# KiCad board pcb.kicad_pcb
title: pcb; rev: v1.0.0; company: Unknown
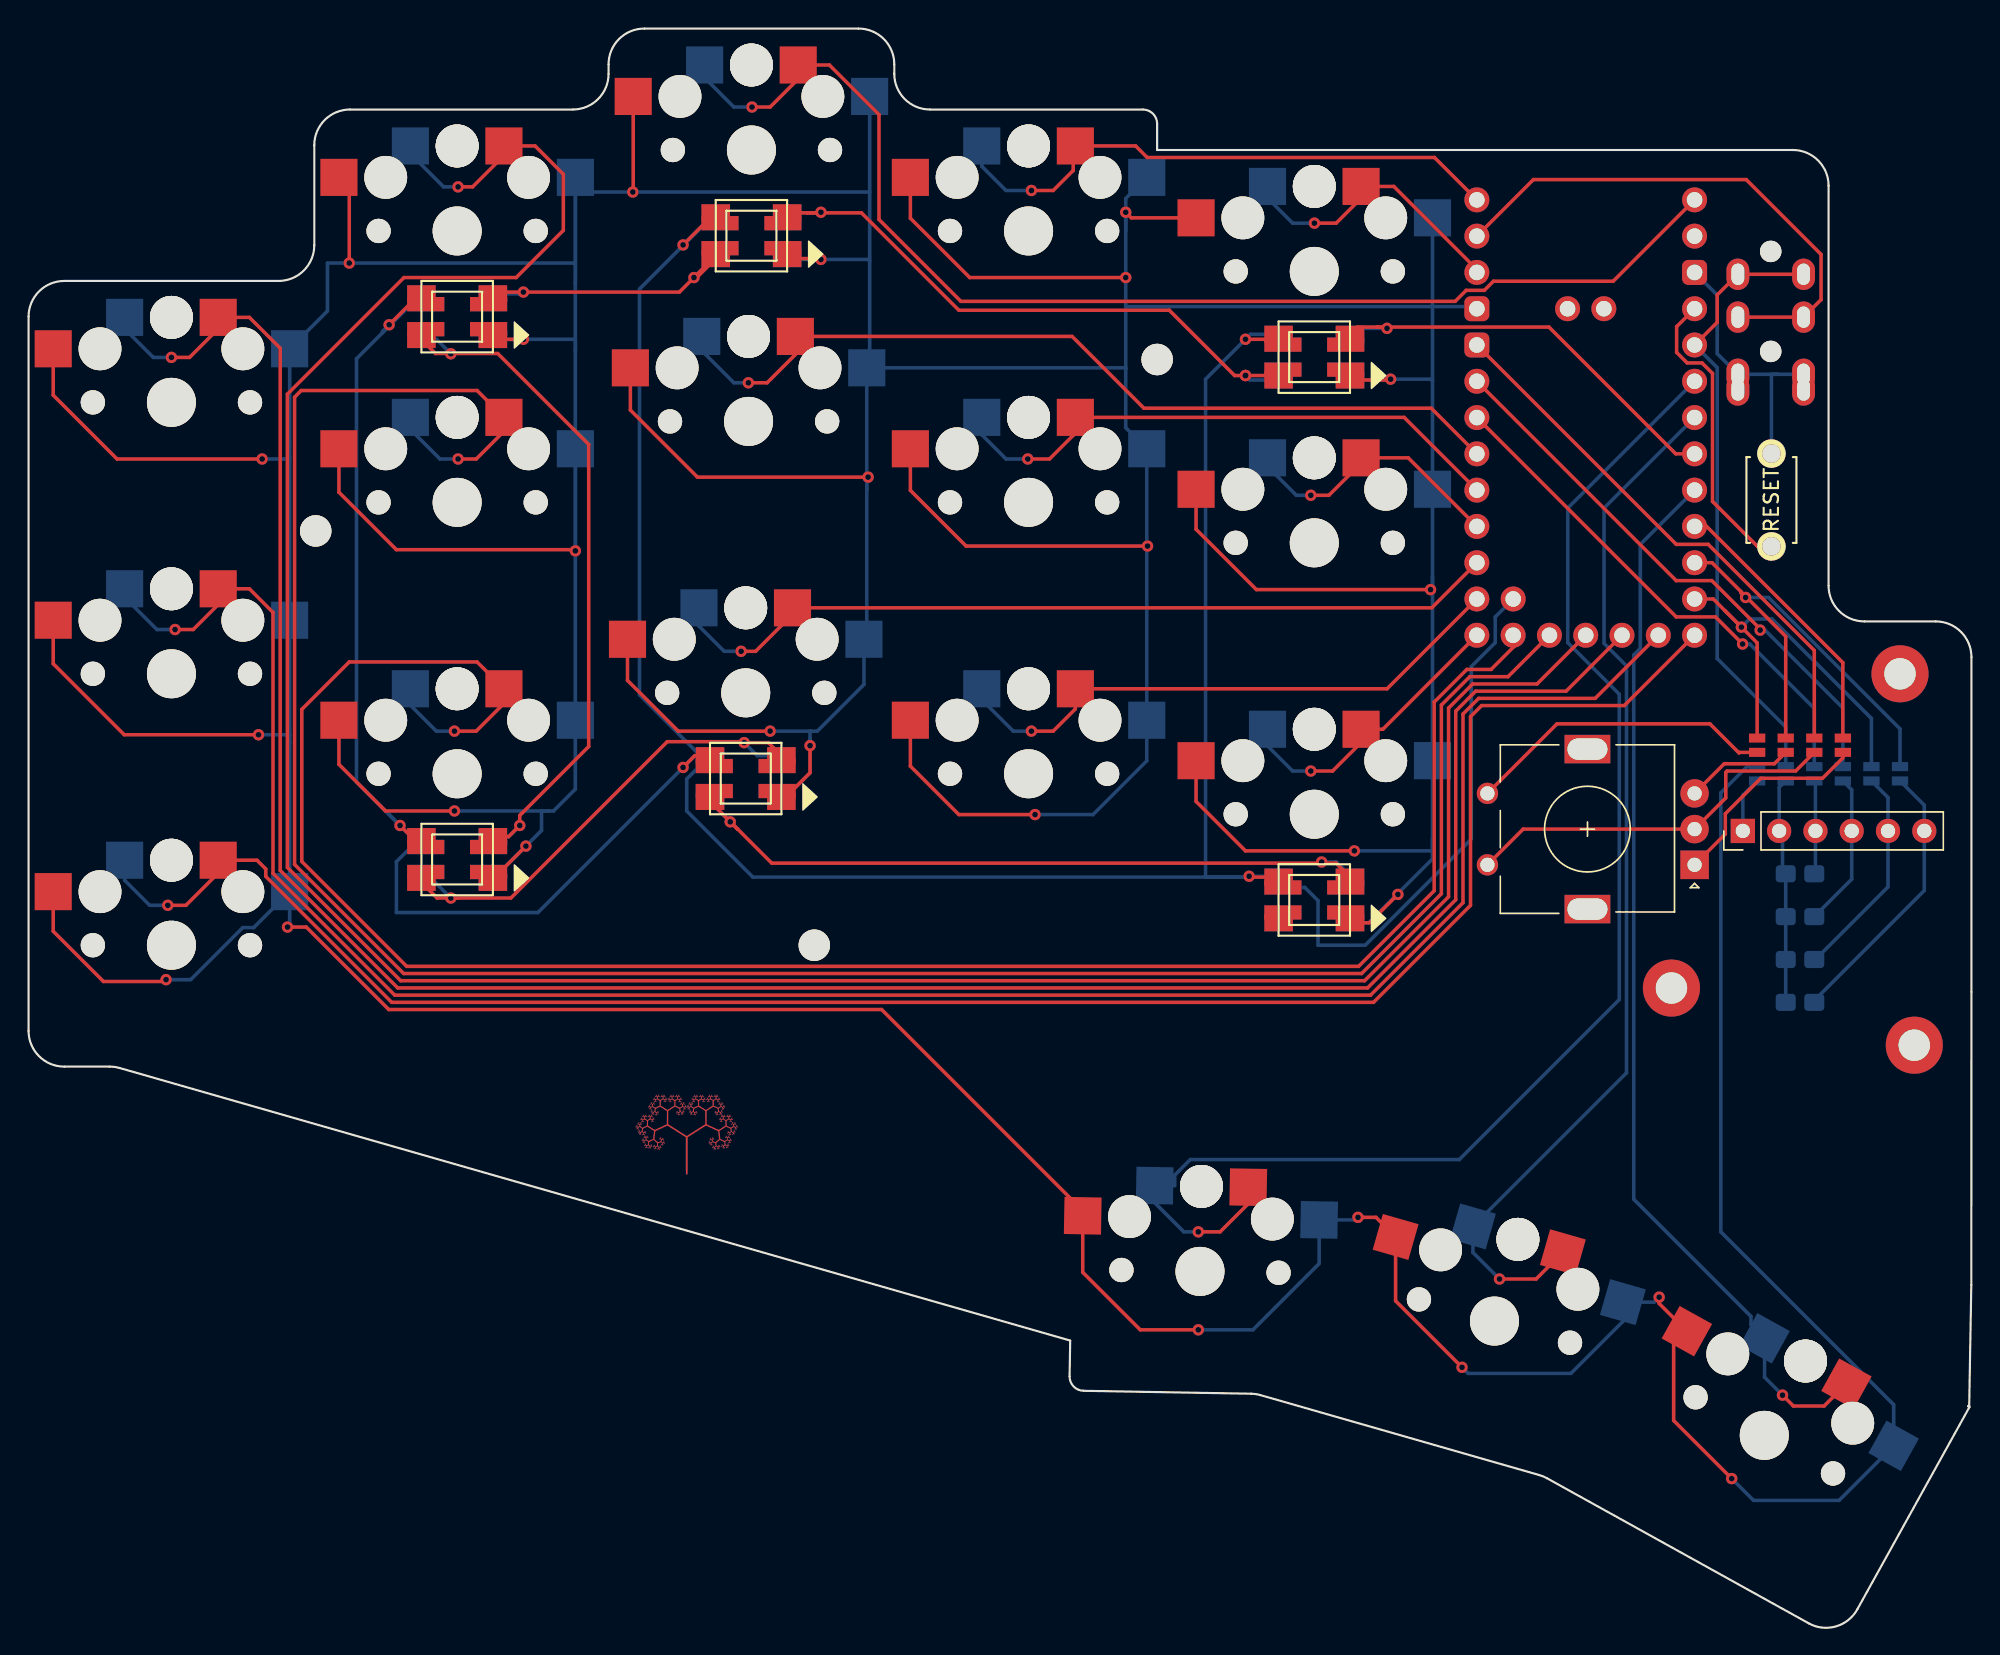
[diagram p0: board, top side]
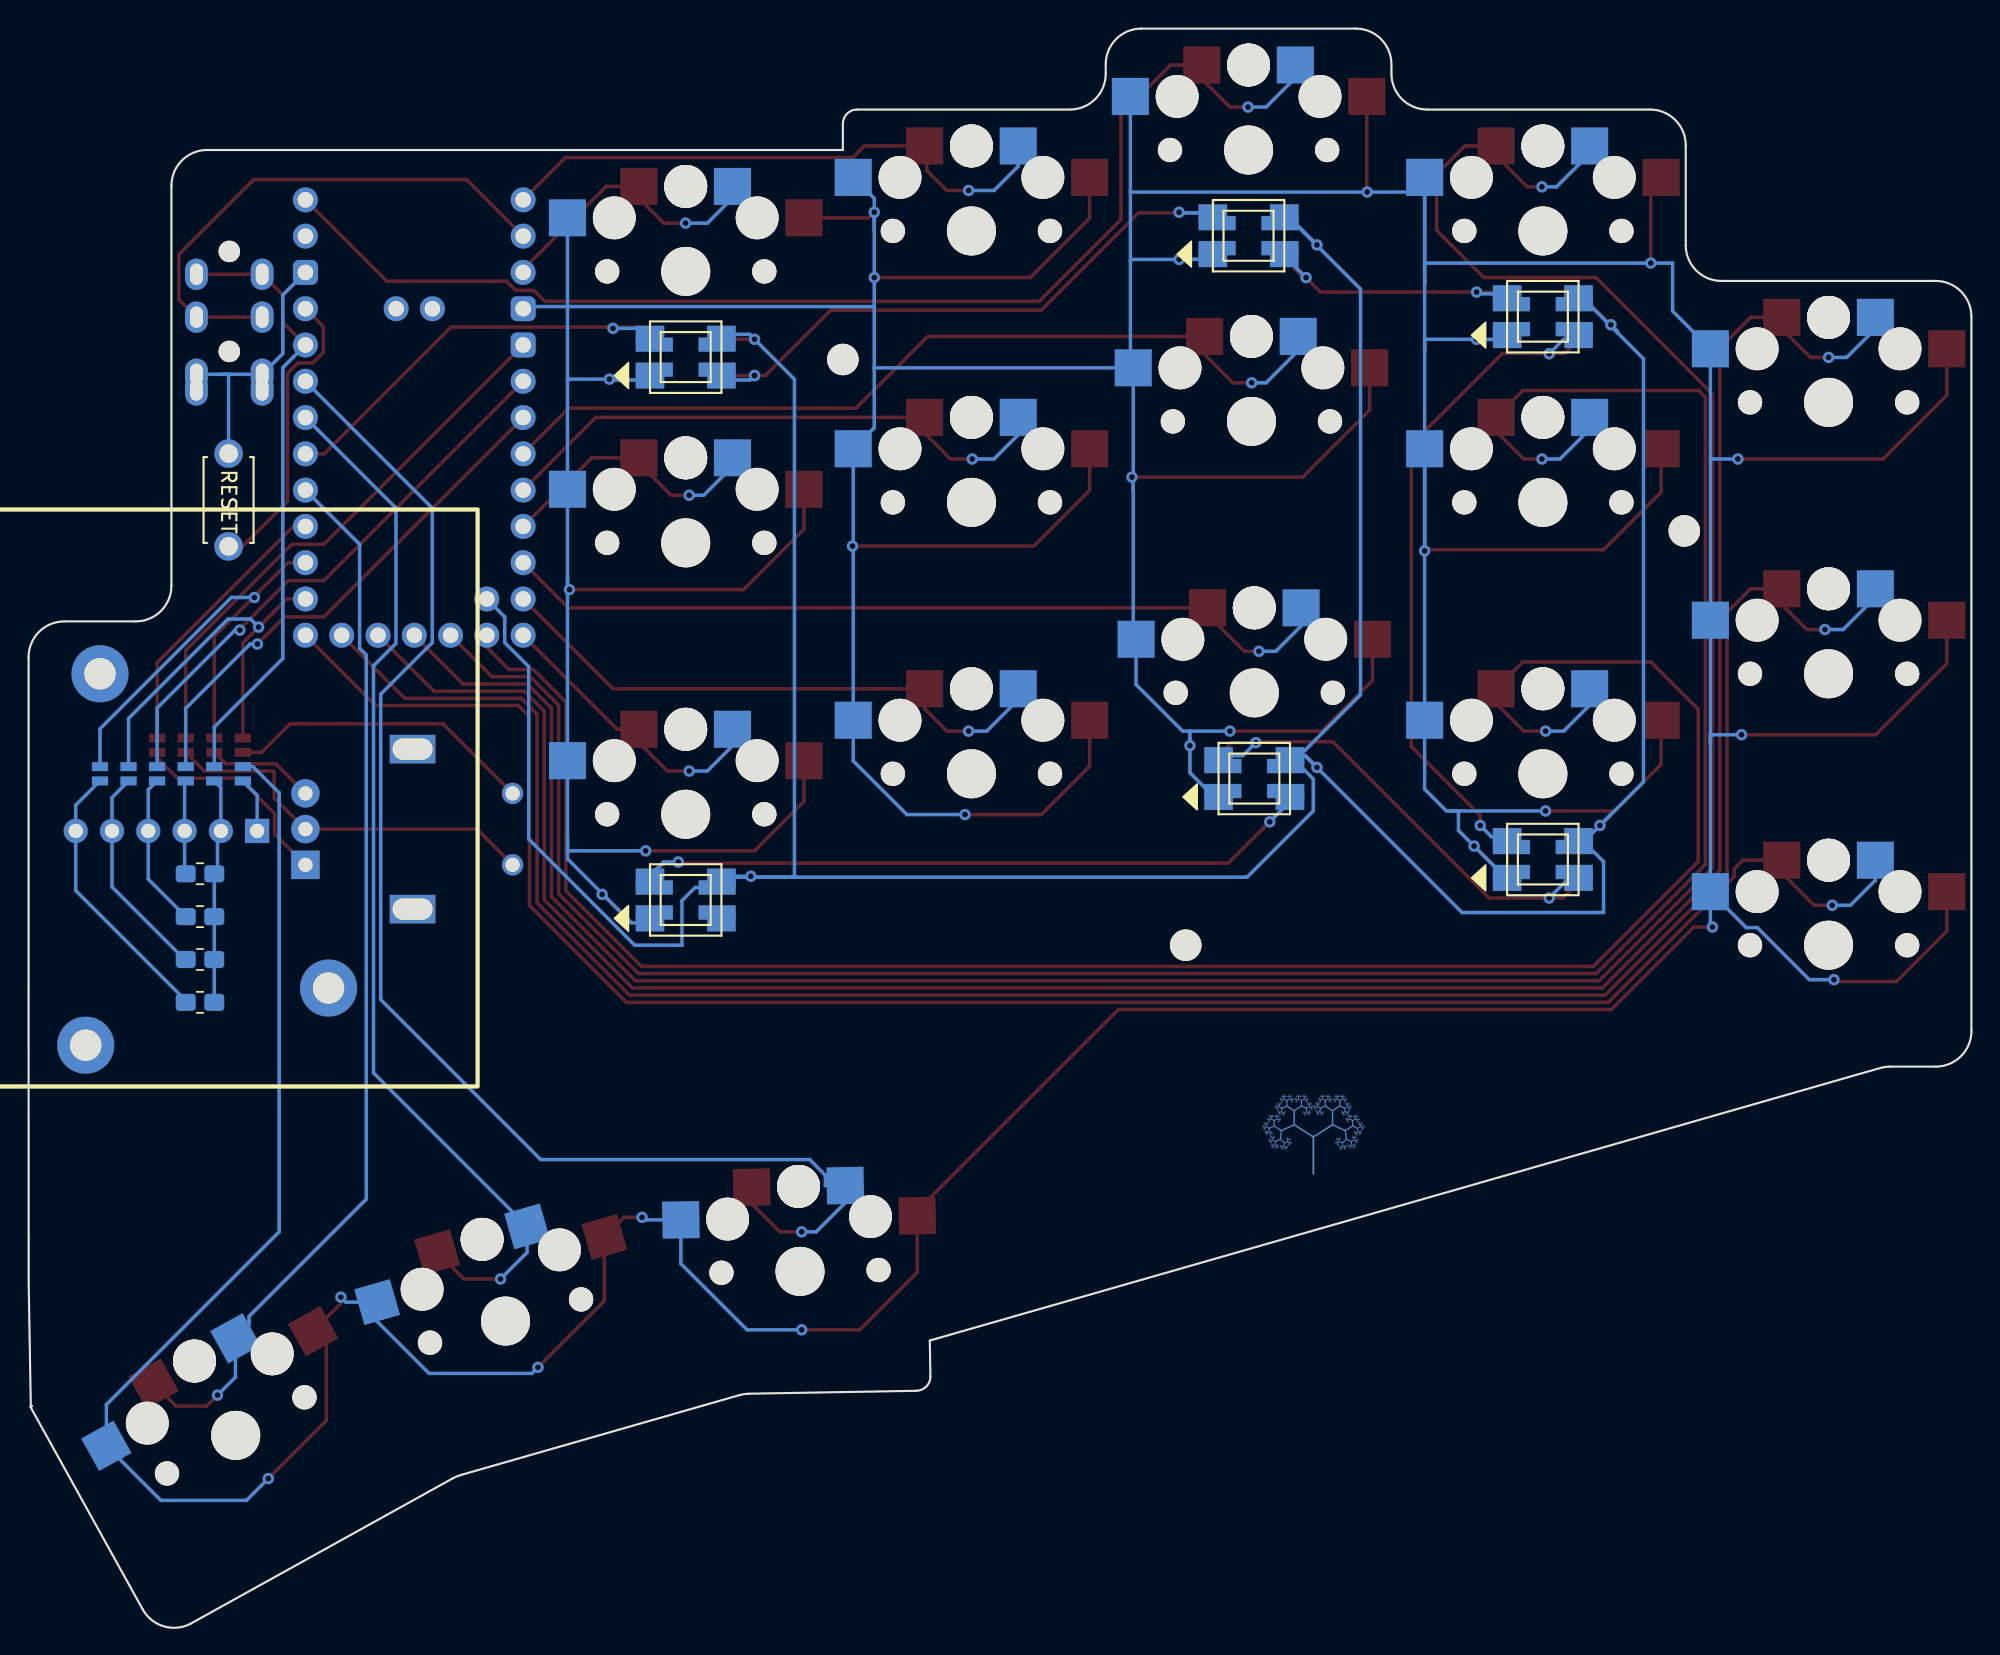
[diagram p1: board, bottom side, seen from below]

Outline 136 x 111.85 mm; copper layers: Top, Bottom. Coordinates in mm from the lower left corner of the outline.
Outline path: 0,91.69 arc(0.73,93.45) 2.5,94.19 17.5,94.19 arc(19.27,94.92) 20,96.69 20,103.69 arc(20.73,105.45) 22.5,106.19 38.1,106.19 arc(39.87,106.92) 40.6,108.69 40.6,109.35 arc(41.33,111.12) 43.1,111.85 58.1,111.85 arc(59.87,111.12) 60.6,109.35 60.6,108.69 arc(61.33,106.92) 63.1,106.19 78,106.19 arc(78.71,105.89) 79,105.19 79,103.35 123.5,103.35 arc(125.27,102.62) 126,100.85 126,72.85 arc(126.73,71.09) 128.5,70.35 133.5,70.35 arc(135.27,69.62) 136,67.85 136,44.41 135.99,23.91 135.84,15.41 135.77,15.41 135.86,15.36 128.01,1.19 arc(126.51,0) 124.61,0.22 106.28,10.37 arc(106.03,10.5) 105.76,10.59 86.23,16.19 arc(85.91,16.26) 85.58,16.29 73.85,16.49 arc(73.15,16.8) 72.87,17.51 72.91,20.01 6.37,39.09 arc(6.03,39.16) 5.69,39.19 2.5,39.19 arc(0.73,39.92) 0,41.69 0,91.69
Stack: Top 0.035mm / dielectric 1.51mm FR4 er 4.5 / Bottom 0.035mm

## Placement (name value [footprint] x y rotation side)
_1  -  [ResetSW]  122 78.85 270 top
_2  -  [MountingHole_2.2mm_M2_Pad_Via]  131 66.69 0 top
_3  -  [MountingHole_2.2mm_M2_Pad_Via]  132 40.69 0 top
_4  -  [MountingHole_2.2mm_M2_Pad_Via]  115 44.69 0 top
_5  -  [MountingHole_2.2mm_M2]  79 88.69 0 top
_6  -  [MountingHole_2.2mm_M2]  20.1 76.69 0 top
_7  -  [MountingHole_2.2mm_M2]  55 47.69 0 top
J1  -  [Jumper#2]  121 61.69 90 top
J2  -  [Jumper#2]  123 61.69 90 top
J3  -  [Jumper#2]  125 61.69 90 top
J4  -  [Jumper#2]  127 61.69 90 top
J5  -  [Jumper]  121 59.69 90 top
J6  -  [Jumper]  123 59.69 90 top
J7  -  [Jumper]  125 59.69 90 top
J8  -  [Jumper]  127 59.69 90 top
J9  -  [Jumper]  129 59.69 90 top
J10  -  [Jumper]  131 59.69 90 top
LED1  -  [WS2812B]  30 91.69 0 top
LED2  -  [WS2812B]  30 53.69 0 top
LED3  -  [WS2812B]  50.6 97.35 0 top
LED4  -  [WS2812B]  50.2 59.35 0 top
LED5  -  [WS2812B]  90 88.85 0 top
LED6  -  [WS2812B]  90 50.85 0 top
LED7  -  [WS2812B#2]  30 91.69 0 top
LED8  -  [WS2812B#2]  30 53.69 0 top
LED9  -  [WS2812B#2]  50.6 97.35 0 top
LED10  -  [WS2812B#2]  50.2 59.35 0 top
LED11  -  [WS2812B#2]  90 88.85 0 top
LED12  -  [WS2812B#2]  90 50.85 0 top
MCU1  Elite-C  [Helios]  109 83.35 0 top
NOREF  -  [pinheaders]  120 55.69 90 top
NOREF#2  -  [Azoteq-TPS45]  148 78.19 0 top
NOREF#3  LOGO  [fractalx]  46.07 34.23 0 top
NOREF#4  LOGO  [fractalxcu]  46.07 34.23 0 top
NOREF#5  LOGO  [fractalxcu]  46.07 34.23 180 bottom
NOREF#6  -  [R_0805_2012Metric_Pad1.20x1.40mm_HandSolder]  124 46.69 0 bottom
NOREF#7  -  [R_0805_2012Metric_Pad1.20x1.40mm_HandSolder]  124 52.69 0 bottom
NOREF#8  -  [R_0805_2012Metric_Pad1.20x1.40mm_HandSolder]  124 43.69 0 bottom
NOREF#9  -  [R_0805_2012Metric_Pad1.20x1.40mm_HandSolder]  124 49.69 0 bottom
NOREF#10  LOGO  [fractalx]  46.07 34.23 180 bottom
ROT1  -  [rotary_encoder]  109 55.85 180 top
S1  -  [PG1350]  10 47.69 0 top
S2  -  [PG1350]  10 66.69 0 top
S3  -  [PG1350]  10 85.69 0 top
S4  -  [PG1350]  30 59.69 0 top
S5  -  [PG1350]  30 78.69 0 top
S6  -  [PG1350]  30 97.69 0 top
S7  -  [PG1350]  50.2 65.35 0 top
S8  -  [PG1350]  50.4 84.35 0 top
S9  -  [PG1350]  50.6 103.35 0 top
S10  -  [PG1350]  70 59.69 0 top
S11  -  [PG1350]  70 78.69 0 top
S12  -  [PG1350]  70 97.69 0 top
S13  -  [PG1350]  90 56.85 0 top
S14  -  [PG1350]  90 75.85 0 top
S15  -  [PG1350]  90 94.85 0 top
S16  -  [PG1350]  82 24.85 359 top
S17  -  [PG1350]  102.61 21.38 344 top
S18  -  [PG1350]  121.5 13.37 331 top
TRRS1  -  [TRRS-PJ-320A-dual]  124.25 97.85 0 top

## Footprints (pads in the part's own frame, mm; a bottom-side part is the same pattern mirrored in y, then rotated)
Helios
  round 1.753 hole 1.092: 1(-7.62,16.51) 2(-7.62,13.97) 3(-7.62,11.43) 6(-7.62,3.81) 7(-7.62,1.27) 8(-7.62,-1.27) 9(-7.62,-3.81) 10(-7.62,-6.35) 11(-7.62,-8.89) 12(-7.62,-11.43) 13(-7.62,-13.97) 14(-5.08,-13.97) 15(-2.54,-13.97) 16(0,-13.97) 17(2.54,-13.97) 18(5.08,-13.97) 19(7.62,-13.97) 20(7.62,-11.43) 21(7.62,-8.89) 22(7.62,-6.35) 23(7.62,-3.81) 24(7.62,-1.27) 25(7.62,1.27) 26(7.62,3.81) 27(7.62,6.35) 28(7.62,8.89) 30(7.62,13.97) 31(7.62,16.51) 32(-5.075,-11.43) 33(1.27,8.89) 34(-1.27,8.89)
  rrect 1.753x1.753 hole 1.092: 4(-7.62,8.89) 5(-7.62,6.35) 29(7.62,11.43)
Jumper
  rect 0.635x1.143 smd far side: 1(-0.5,0) 2(0.5,0)
Jumper#2
  rect 0.635x1.143 smd: 1(-0.5,0) 2(0.5,0)
MountingHole_2.2mm_M2
  round 2.2 hole 2.2 unplated: (0,0)
MountingHole_2.2mm_M2_Pad_Via
  round 4 hole 2.2: (0,0)
PG1350
  round 1.702 hole 1.702 unplated: (-5.5,0) (5.5,0)
  round 3 hole 3 unplated: (-5,3.75) (0,5.95) (0,5.95) (5,3.75)
  round 3.429 hole 3.429 unplated: (0,0)
  rect 2.6x2.6 smd far side: 1(-3.275,5.95) 2(8.275,3.75)
  rect 2.6x2.6 smd: 1(3.275,5.95) 2(-8.275,3.75)
pinheaders
  rect 1.7x1.7 hole 1: 1(0,0)
  oval 1.7x1.7 hole 1: 2(0,-2.54) 3(0,-5.08) 4(0,-7.62) 5(0,-10.16) 6(0,-12.7)
R_0805_2012Metric_Pad1.20x1.40mm_HandSolder
  rrect 1.4x1.2 smd: 1(-1,0) 2(1,0)
ResetSW
  round 2 hole 1.3: 1(3.25,0) 2(-3.25,0)
rotary_encoder
  rect 3.2x2 hole 2.8x1.5: (-0.12,5.64) (-0.12,-5.56)
  round 1.5 hole 1: 1(6.88,2.54) 2(6.88,-2.46)
  rect 2x2 hole 1: A(-7.62,2.54)
  round 2 hole 1: B(-7.62,-2.46) C(-7.62,0.04)
TRRS-PJ-320A-dual
  round 1.5 hole 1.5 unplated: (-2.3,-1.6) (-2.3,-8.6)
  oval 1.6x2.2 hole 0.9x1.5: 1(-4.6,-11.3) 1(0,-11.3) 2(-4.6,-10.2) 2(0,-10.2) 3(-4.6,-6.2) 3(0,-6.2) 4(-4.6,-3.2) 4(0,-3.2)
WS2812B
  rect 2.6x1 smd: 1(-2.2,0.875) 2(-2.2,-0.875) 3(2.2,-0.875) 4(2.2,0.875)
  rect 2x1.2 smd: 11(-2.5,1.6) 22(-2.5,-1.6) 33(2.5,-1.6) 44(2.5,1.6)
WS2812B#2
  rect 2.6x1 smd far side: 1(-2.2,0.875) 2(-2.2,-0.875) 3(2.2,-0.875) 4(2.2,0.875)
  rect 2x1.2 smd far side: 11(-2.5,1.6) 22(-2.5,-1.6) 33(2.5,-1.6) 44(2.5,1.6)

## Nets
GND: _1.2 J3.2 J5.2 LED1.3 LED1.33 LED2.3 LED2.33 LED3.3 LED3.33 LED4.3 LED4.33 LED5.3 LED5.33 LED6.3 LED6.33 LED7.3 LED7.33 LED8.3 LED8.33 LED9.3 LED9.33 LED10.3 LED10.33 LED11.3 LED11.33 LED12.3 LED12.33 MCU1.4 MCU1.5 MCU1.29 S1.2 S2.2 S3.2 S4.2 S5.2 S6.2 S7.2 S8.2 S9.2 S10.2 S11.2 S12.2 S13.2 S14.2 S15.2 S16.2 S17.2 S18.2 TRRS1.1 TRRS1.2
VCC: J6.2 MCU1.27 TRRS1.4
A0: MCU1.23 S18.1
A1: LED5.4 LED5.44 LED11.4 LED11.44 MCU1.24
A2: MCU1.25 S17.1
A3: MCU1.26 S16.1
Dminus: MCU1.33
Dplus: MCU1.34
IO2: J8.2 MCU1.6
IO3: J7.2 MCU1.7
IO4: MCU1.8 S8.1
IO5: MCU1.9 S11.1
IO6: MCU1.10 S14.1
IO7: MCU1.11 S7.1
IO8: MCU1.12 S10.1
IO9: MCU1.13 S13.1
IO10: MCU1.1 S12.1
IO11: MCU1.31 S9.1
IO12: MCU1.14 S4.1
IO13: MCU1.15 S5.1
IO14: MCU1.16 S6.1
IO15: MCU1.17 S3.1
IO16: MCU1.18 S2.1
IO20: J2.2 J10.2 MCU1.21
IO21: MCU1.19 S1.1
IO22: J4.2 MCU1.22
IO23: J1.2 J9.2 MCU1.20
NAN: LED6.2 LED6.22 LED12.2 LED12.22
O2: J1.1 ROT1.2
O3: J4.1 ROT1.A
O4: J3.1 ROT1.1 ROT1.C
O5: J2.1 ROT1.B
RAW: MCU1.30
RGB: LED1.1 LED1.11 LED2.1 LED2.11 LED3.1 LED3.11 LED4.1 LED4.11 LED5.1 LED5.11 LED6.1 LED6.11 LED7.1 LED7.11 LED8.1 LED8.11 LED9.1 LED9.11 LED10.1 LED10.11 LED11.1 LED11.11 LED12.1 LED12.11 MCU1.32
RGB1: LED3.4 LED3.44 LED5.2 LED5.22 LED9.4 LED9.44 LED11.2 LED11.22
RGB2: LED1.4 LED1.44 LED3.2 LED3.22 LED7.4 LED7.44 LED9.2 LED9.22
RGB3: LED1.2 LED1.22 LED2.4 LED2.44 LED7.2 LED7.22 LED8.4 LED8.44
RGB4: LED2.2 LED2.22 LED4.4 LED4.44 LED8.2 LED8.22 LED10.4 LED10.44
RGB5: LED4.2 LED4.22 LED6.4 LED6.44 LED10.2 LED10.22 LED12.4 LED12.44
RST: _1.1 MCU1.28
RX: MCU1.3 S15.1
T1: J5.1 NOREF.1
T2: J6.1 NOREF.2 NOREF#6.1 NOREF#7.1 NOREF#8.1 NOREF#9.1
T3: J7.1 NOREF.3 NOREF#7.2
T4: J8.1 NOREF.4 NOREF#9.2
T5: J9.1 NOREF.5 NOREF#6.2
T6: J10.1 NOREF.6 NOREF#8.2
TX: MCU1.2 TRRS1.3

## Via types
v1: diameter 0.8, hole 0.4, Top to Bottom, 67 vias

## Routing (per net, layer and track width the routed paths; a pad name or vN(x,y) marks a point on that pad's centre or on a via; arc(x,y) is an arc through that point)
GND: length 922.6
  Top w0.25: v1(92.8,54.29) 85.18,54.29 81.72,57.75 S13.2 ; S1.2 1.72,48.66 5.24,45.15 9.5,45.15 v1(9.62,45.28) ; v1(54.7,61.66) 54.7,59.76 LED4.33 ; S9.2 42.33,100.44 v1(42.3,100.41) ; v1(18.13,48.96) 19.44,48.96 25.21,43.18 59.72,43.18 73.79,29.11 S16.2 73.79,24.79 77.82,20.76 v1(81.88,20.76) ; S14.2 81.72,76.8 85.95,72.58 v1(98.14,72.58) ; v1(95.85,51.24) 93.86,49.25 LED12.33 ; v1(70.45,56.83) 65.12,56.83 61.73,60.22 S10.2 ; S8.2 42.12,85.15 46.82,80.45 v1(58.77,80.45) ; LED1.3 32.91,90.11 v1(34.64,90.11) ; v1(34.81,54.62) 33,52.81 LED2.3 ; v1(93.06,28.64) 94.32,28.64 S17.2 95.69,22.79 v1(100.34,18.14) ; LED3.33 55.41,95.75 v1(55.47,95.69) ; S3.2 1.72,86.19 6.19,81.72 v1(16.35,81.72) ; v1(78.33,75.63) 65.63,75.63 61.73,79.53 S11.2 ; LED5.33 95.29,87.25 v1(95.34,87.31) ; v1(76.8,99) 77.19,98.6 S15.2 ; 41.92,69.1 41.92,66.22 45.48,62.67 v1(51.91,62.67) ; v1(16.1,62.42) 6.7,62.42 1.72,67.39 S2.2 ; v1(22.45,95.44) 22.45,100.72 S6.2 ; v1(76.8,94.42) 65.88,94.42 61.73,98.58 S12.2 ; v1(29.81,57.09) 24.99,57.09 21.73,60.35 S4.2 ; J3.2 125,68.32 117.57,75.75 115.34,75.75 MCU1.5 ; S5.2 21.73,79.4 25.75,75.37 38.19,75.37 v1(38.27,75.29) ; v1(119.22,10.35) 115.16,14.41 115.16,19.74 S18.2 114.14,22.61 v1(114.14,23.05)
  Bottom w0.25: 95.57,51.02 95.79,51.24 v1(95.85,51.24) ; 95.57,51.02 98.28,53.73 98.28,55.17 ; 95.57,51.02 93.8,49.25 LED12.33 ; TRRS1.1 TRRS1.2 122.43,87.65 ; 98.28,92.39 101.23,92.39 MCU1.4 ; 98.28,92.39 S15.2 ; 98.28,92.39 98.28,87.19 ; 58.88,100.41 38.27,100.41 38.27,94 ; 58.88,100.41 S9.2 ; 58.88,100.41 58.88,95.59 ; 76.8,97.73 v1(76.8,94.42) 76.8,92.39 ; 76.8,97.73 76.8,99.96 S12.2 ; 76.8,97.73 v1(76.8,99) ; 78.28,75.32 S10.2 78.28,60.59 74.52,56.83 v1(70.45,56.83) ; 78.28,75.32 78.33,75.37 v1(78.33,75.63) ; 78.28,75.32 S11.2 76.8,83.91 76.8,88.03 ; v1(119.22,10.35) 120.74,8.83 126.74,8.83 S18.2 130.56,15.52 118.46,27.62 118.46,58.36 120.29,60.19 J5.2 ; v1(81.88,20.76) 85.71,20.76 90.34,25.4 S16.2 92.88,28.46 v1(93.06,28.64) ; S5.2 S4.2 38.27,58.61 36.75,57.09 36.42,57.09 ; S5.2 v1(38.27,75.29) ; S5.2 38.27,89.26 ; 76.8,88.03 76.8,92.39 ; 76.8,88.03 76.8,88.1 S8.2 ; 38.27,95.36 38.27,94 ; 38.27,95.36 S6.2 ; 38.27,95.36 38.19,95.44 20.92,95.44 20.92,92.08 S3.2 18.27,81.83 ; 38.27,94 38.27,89.26 ; MCU1.29 118.2,93.2 118.2,89.1 TRRS1.2 ; 98.28,87.19 S14.2 98.28,73.48 ; 98.28,87.19 98.16,87.31 v1(95.34,87.31) 95.29,87.25 LED5.33 ; v1(100.34,18.14) 100.77,17.72 107.97,17.72 111.6,21.35 S17.2 113.79,22.7 v1(114.14,23.05) ; 98.28,55.17 98.28,54.29 v1(92.8,54.29) ; 98.28,55.17 S13.2 98.28,73.48 ; 18.27,61.8 S2.2 18.27,81.83 ; 18.27,61.8 18.27,62.42 v1(16.1,62.42) ; 18.27,61.8 S1.2 ; 36.42,57.09 35.91,57.09 35.91,55.72 v1(34.81,54.62) 33,52.81 LED2.3 ; 36.42,57.09 v1(29.81,57.09) ; LED1.33 34.62,90.09 v1(34.64,90.11) 38.19,90.11 38.27,90.02 38.27,89.26 ; 98.28,73.48 98.28,72.72 v1(98.14,72.58) ; 76.8,92.39 98.16,92.39 ; TRRS1.2 TRRS1.1 ; TRRS1.2 122.43,87.65 ; 58.88,95.59 58.77,95.69 v1(55.47,95.69) 53.16,95.69 LED3.33 ; 58.88,95.59 58.88,88.3 S8.2 ; S1.2 18.27,49.1 v1(18.13,48.96) ; S1.2 15.75,48.92 14.99,48.92 11.35,45.28 v1(9.62,45.28) ; 18.27,81.83 18.23,81.79 ; v1(58.77,80.45) 58.67,80.36 58.67,79.6 ; LED4.33 54.7,59.76 54.7,62.17 ; _1.2 122,87.64 122.01,87.65 122.43,87.65 ; 58.67,79.6 58.67,69.3 S7.2 58.48,65.94 55.21,62.67 54.7,62.67 ; 58.67,79.6 S8.2 ; v1(54.7,61.66) 54.7,62.17 ; 54.7,62.17 54.7,62.67 ; v1(16.35,81.72) 18.13,81.72 ; 54.7,62.67 v1(51.91,62.67)
VCC: length 43
  Top w0.25: TRRS1.4 TRRS1.4 118.2,93.21 118.2,91.29 MCU1.27
  Bottom w0.25: MCU1.27 118.2,88.12 118.2,67.75 123,62.96 J6.2
A0: length 74.9
  Top w0.25: v1(122.78,16.19) 123.54,15.43 125.69,15.43 S18.1
  Bottom w0.25: MCU1.23 112.82,75.75 112.82,68.47 112.36,68.01 112.36,29.91 120.56,21.71 120.56,21.12 S18.1 121.52,17.45 v1(122.78,16.19)
A1: length 31.5
  Top w0.25: 94.42,90.96 106.43,90.96 115.3,82.08 MCU1.24 ; 94.42,90.96 93.01,90.96 LED5.44 ; 94.42,90.96 95,90.96 v1(95.09,90.87)
  Bottom w0.25: LED5.44 92.91,90.87 v1(95.09,90.87)
A2: length 74
  Top w0.25: S17.1 105.53,24.32 v1(102.96,24.32)
  Bottom w0.25: MCU1.25 110.28,78.29 110.28,68.81 111.85,67.25 111.85,38.75 S17.1 101.11,26.18 v1(102.96,24.32)
A3: length 97.4
  Top w0.25: S16.1 85.38,29.59 83.41,27.62 v1(81.88,27.62)
  Bottom w0.25: v1(81.88,27.62) 80.87,27.62 78.83,29.66 S16.1 80.22,30.86 80.22,31.58 81.33,32.68 100.15,32.68 111.35,43.88 111.35,65.26 107.74,68.86 107.74,78.29 MCU1.26
IO2: length 39.2
  Top w0.25: v1(121.21,69.74) 121.21,69.83 117.83,73.21 115.34,73.21 MCU1.6
  Bottom w0.25: J8.2 127,64.29 121.55,69.74 v1(121.21,69.74)
IO3: length 36.1
  Top w0.25: MCU1.7 115.34,70.67 118.08,70.67 v1(119.98,68.77)
  Bottom w0.25: v1(119.98,68.77) 120.49,68.77 125,64.26 J7.2
IO4: length 61.7
  Top w0.25: MCU1.8 98.18,85.28 78.07,85.28 73.05,90.3 S8.1 53.67,89.04 51.7,87.06 v1(50.39,87.06)
  Bottom w0.25: S8.1 47.12,89.3 49.37,87.06 v1(50.39,87.06)
IO5: length 40.5
  Top w0.25: v1(69.94,81.72) 71.47,81.72 73.12,83.38 73.12,84.49 S11.1 96.29,84.64 MCU1.9
  Bottom w0.25: S11.1 66.72,83.42 68.42,81.72 v1(69.94,81.72)
IO6: length 19.4
  Top w0.25: MCU1.10 96.58,81.8 S14.1 93.28,81.43 91.03,79.18 v1(89.76,79.18)
  Bottom w0.25: v1(89.76,79.18) 88.74,79.18 86.72,81.2 S14.1
IO7: length 59.3
  Top w0.25: MCU1.11 98.22,71.3 S7.1 53.48,70.84 50.89,68.26 v1(49.88,68.26)
  Bottom w0.25: v1(49.88,68.26) 48.69,68.26 46.92,70.03 46.92,71.3
IO8: length 41
  Top w0.25: v1(70.2,62.67) 71.72,62.67 73.28,64.23 S10.1 95.09,65.64 MCU1.12
  Bottom w0.25: v1(70.2,62.67) 68.93,62.67 66.72,64.88 S10.1
IO9: length 21
  Top w0.25: MCU1.13 94.8,62.8 S13.1 93.28,61.87 91.28,59.88 v1(89.76,59.88)
  Bottom w0.25: v1(89.76,59.88) 88.49,59.88 86.72,61.64 S13.1
IO10: length 40.6
  Top w0.25: v1(70.2,100.52) 71.72,100.52 73.12,101.92 73.12,103.49 S12.1 77.49,103.64 78.3,102.83 98.42,102.83 MCU1.1
  Bottom w0.25: S12.1 66.72,102.21 68.42,100.52 v1(70.2,100.52)
IO11: length 86.9
  Top w0.25: MCU1.31 110.93,94.17 102.54,94.17 101.9,93.53 100.63,93.53 99.86,92.76 65.26,92.76 59.53,98.49 59.53,105.83 56.06,109.3 S9.1 53.88,108.33 51.91,106.36 v1(50.64,106.36)
  Bottom w0.25: S9.1 47.33,108.41 49.37,106.36 v1(50.64,106.36)
IO12: length 142.9
  Top w0.25: MCU1.14 103.98,69.32 103.98,68.59 102.38,66.99 100.68,66.99 98.39,64.71 98.39,51.5 93.1,46.21 26.47,46.21 19.12,53.55 19.12,64.2 22.45,67.52 31.4,67.52 S4.1 33.27,64.61 31.34,62.67 v1(29.81,62.67)
  Bottom w0.25: S4.1 26.73,64.49 28.54,62.67 v1(29.81,62.67)
IO13: length 166.9
  Top w0.25: v1(30.07,81.72) 31.34,81.72 33.27,83.66 S5.1 31.4,86.52 19.08,86.52 18.62,86.05 18.62,53.34 26.26,45.7 93.31,45.7 98.9,51.29 98.9,64.5 100.88,66.48 103.56,66.48 MCU1.15
  Bottom w0.25: S5.1 26.73,83.79 28.8,81.72 v1(30.07,81.72)
IO14: length 187.7
  Top w0.25: MCU1.16 105.59,65.98 101.09,65.98 99.4,64.29 99.4,51.08 93.52,45.2 26.05,45.2 18.12,53.13 18.12,86.26 26.28,94.42 34.13,94.42 37.43,97.73 37.43,101.66 35.46,103.64 S6.1 33.27,102.97 31.08,100.77 v1(30.07,100.77)
  Bottom w0.25: v1(30.07,100.77) 29.05,100.77 26.73,103.1 S6.1
IO15: length 166.9
  Top w0.25: MCU1.17 107.63,65.47 101.3,65.47 99.9,64.08 99.9,50.87 93.73,44.7 25.84,44.7 17.61,52.92 17.61,89.48 15.46,91.64 S3.1 13.28,90.84 11.27,88.84 v1(10,88.84)
  Bottom w0.25: v1(10,88.84) 8.73,88.84 6.72,90.84 S3.1
IO16: length 151.4
  Top w0.25: MCU1.18 109.66,64.97 101.51,64.97 100.41,63.87 100.41,50.66 93.94,44.19 25.63,44.19 17.11,52.71 17.11,70.99 15.46,72.64 S2.1 13.28,71.54 11.52,69.79 v1(10.25,69.79)
  Bottom w0.25: S2.1 6.72,72.04 8.98,69.79 v1(10.25,69.79)
IO20: length 33.5
  Top w0.25: J2.2 123,69.31 119.86,72.45 ; MCU1.21 117.84,74.46 119.86,72.45 ; v1(120.19,72.03) 119.86,72.37 119.86,72.45
  Bottom w0.25: J10.2 131,62.83 121.8,72.03 v1(120.19,72.03)
IO21: length 136.7
  Top w0.25: MCU1.19 111.7,64.46 101.71,64.46 100.94,63.69 100.94,50.48 94.15,43.69 25.42,43.69 16.6,52.5 16.6,53.02 15.99,53.64 S1.1 13.28,52.74 11.02,50.48 v1(9.75,50.48)
  Bottom w0.25: S1.1 6.72,52.23 8.48,50.48 v1(9.75,50.48)
IO22: length 19.6
  Top w0.25: J4.2 127,67.47 117.46,77 MCU1.22
IO23: length 29.5
  Top w0.25: J1.2 121,68.51 121,68.52 121,68.85 120.05,69.8 118.75,71.1 ; 118.75,71.1 119.9,69.95 v1(119.9,69.95) ; 118.75,71.1 117.93,71.92 MCU1.20
  Bottom w0.25: J9.2 129,63.56 122.04,70.52 120.47,70.52 v1(119.9,69.95)
O2: length 21.8
  Top w0.25: ROT1.2 106.99,63.18 117.7,63.18 119.73,61.15 119.77,61.19 J1.1
O3: length 14.7
  Top w0.25: ROT1.A 118.77,55.46 118.77,56.89 121.26,59.38 125.57,59.38 127,60.8 J4.1
O4: length 27.2
  Top w0.25: ROT1.1 104.62,55.81 ROT1.C 118.81,58 118.81,59.79 118.9,59.88 123.69,59.88 J3.1
O5: length 7.6
  Top w0.25: ROT1.B 118.69,60.39 122.2,60.39 J2.1
RGB: length 273.2
  Top w0.25: v1(85.44,52.51) 85.5,52.45 LED12.11 ; v1(26,56.07) 26.78,55.29 LED2.11 ; LED3.1 47.33,98.23 v1(45.81,96.71) ; LED1.1 26.68,92.56 v1(25.24,91.12) ; v1(45.81,60.13) 46.63,60.95 LED4.11 ; v1(85.18,90.11) 87.15,90.11 LED5.11
  Bottom w0.25: v1(85.44,52.51) 87.44,52.51 LED12.11 ; LED3.11 42.77,93.62 42.77,65.21 47.75,60.23 LED4.1 ; 25.24,56.83 26.78,55.29 LED2.11 25.75,53.54 25.75,49.97 35.65,49.97 46.58,60.9 ; 25.24,56.83 22.95,59.12 22.95,88.74 24.78,90.57 ; 25.24,56.83 v1(26,56.07) ; 24.78,90.57 LED1.11 ; 24.78,90.57 24.78,90.66 v1(25.24,91.12) ; LED12.11 50.7,52.45 46.07,57.09 46.07,59.32 LED4.11 46.63,60.95 46.58,60.9 ; LED12.11 82.39,52.45 82.39,87.31 v1(85.18,90.11) 85.53,90.45 LED5.11 ; LED3.1 47.33,98.23 v1(45.81,96.71) ; MCU1.32 102.66,70.66 102.66,68.86 100.99,67.19 100.99,55.11 93.57,47.69 90.26,47.69 90.26,50.8 89.34,51.73 LED12.1 ; v1(45.81,60.13) 46.58,60.9
RGB1: length 45.1
  Top w0.25: 54.49,98.95 58.3,98.95 65.12,92.14 79.85,92.14 84.42,87.57 v1(85.18,87.57) 87.19,87.57 LED5.22 ; 54.49,98.95 LED3.44 ; 54.49,98.95 55.42,98.95 v1(55.47,99)
  Bottom w0.25: v1(55.47,99) 55.42,98.95 LED3.44 ; v1(85.18,87.57) 85.5,87.25 LED5.22
RGB2: length 23
  Top w0.25: LED1.44 32.62,93.41 v1(34.64,93.41) 45.56,93.41 47.91,95.75 LED3.22 46.77,94.42 v1(46.58,94.42)
  Bottom w0.25: v1(34.64,93.41) 34.52,93.29 LED1.44 ; LED3.22 47.91,95.75 v1(46.58,94.42)
RGB3: length 50.6
  Top w0.25: 29.32,89.11 28.48,89.11 LED1.22 ; 29.32,89.11 32.84,89.11 39.21,82.74 39.21,61.6 34.38,56.77 v1(34.38,56.07) 33.6,55.29 LED2.44 ; 29.32,89.11 29.34,89.09 v1(29.56,89.09)
  Bottom w0.25: LED2.44 33.6,55.29 v1(34.38,56.07) ; v1(29.56,89.09) 28.56,90.09 LED1.22
RGB4: length 36.6
  Top w0.25: LED4.44 51.79,61.87 v1(50.09,61.87) 50.02,61.93 44.7,61.93 33.76,50.99 30.07,50.99 ; v1(29.56,50.99) 30.07,50.99 ; 30.07,50.99 28.6,50.99 LED2.22
  Bottom w0.25: v1(50.09,61.87) 51,60.95 LED4.44 ; LED2.22 28.46,52.09 v1(29.56,50.99)
RGB5: length 52.4
  Top w0.25: v1(49.12,56.32) 49.62,55.82 49.63,55.82 ; v1(90.52,53.51) 90.6,53.51 90.68,53.43 ; LED12.44 91.52,53.43 90.68,53.43 ; 49.63,55.82 LED4.22 ; 49.63,55.82 52.02,53.43 90.68,53.43
  Bottom w0.25: v1(90.52,53.51) 91.55,53.51 92.5,52.56 LED12.44 ; LED4.22 47.7,57.74 v1(49.12,56.32)
RST: length 21.1
  Top w0.25: MCU1.28 115.36,90.99 115.36,89.18 116.1,88.45 117.14,88.45 117.88,87.71 117.88,78.75 121.02,75.6 _1.1
RX: length 20.4
  Top w0.25: v1(90.01,98.23) 91.53,98.23 93.28,99.97 S15.1 95.57,100.8 101.38,94.99 MCU1.3
  Bottom w0.25: S15.1 86.72,99.99 88.49,98.23 v1(90.01,98.23)
T1: length 3.9
  Bottom w0.25: NOREF.1 120,58.19 J5.1
T2: length 15.9
  Bottom w0.25: J6.1 122.54,58.73 NOREF.2 122.78,55.45 122.78,52.91 NOREF#7.1 NOREF#9.1 NOREF#6.1 NOREF#8.1
T3: length 6.6
  Bottom w0.25: J7.1 125.08,59.11 NOREF.3 125.08,52.77 NOREF#7.2
T4: length 10.8
  Bottom w0.25: NOREF#9.2 127.62,52.31 NOREF.4 127.62,58.57 J8.1
T5: length 15.2
  Bottom w0.25: J9.1 130.16,58.03 NOREF.5 130.16,51.77 125.08,46.69 NOREF#6.2
T6: length 19.4
  Bottom w0.25: J10.1 132.7,57.49 NOREF.6 132.7,51.52 125,43.82 NOREF#8.2
TX: length 37.4
  Top w0.25: TRRS1.3 TRRS1.3 125.47,92.88 125.47,96.04 120.24,101.28 105.34,101.28 MCU1.2
